# Allegro board RK3576_Template_LP5D315P132SD8_25x36_2400MHz_H1R0_V11_20240530YWQ.brd (continued)
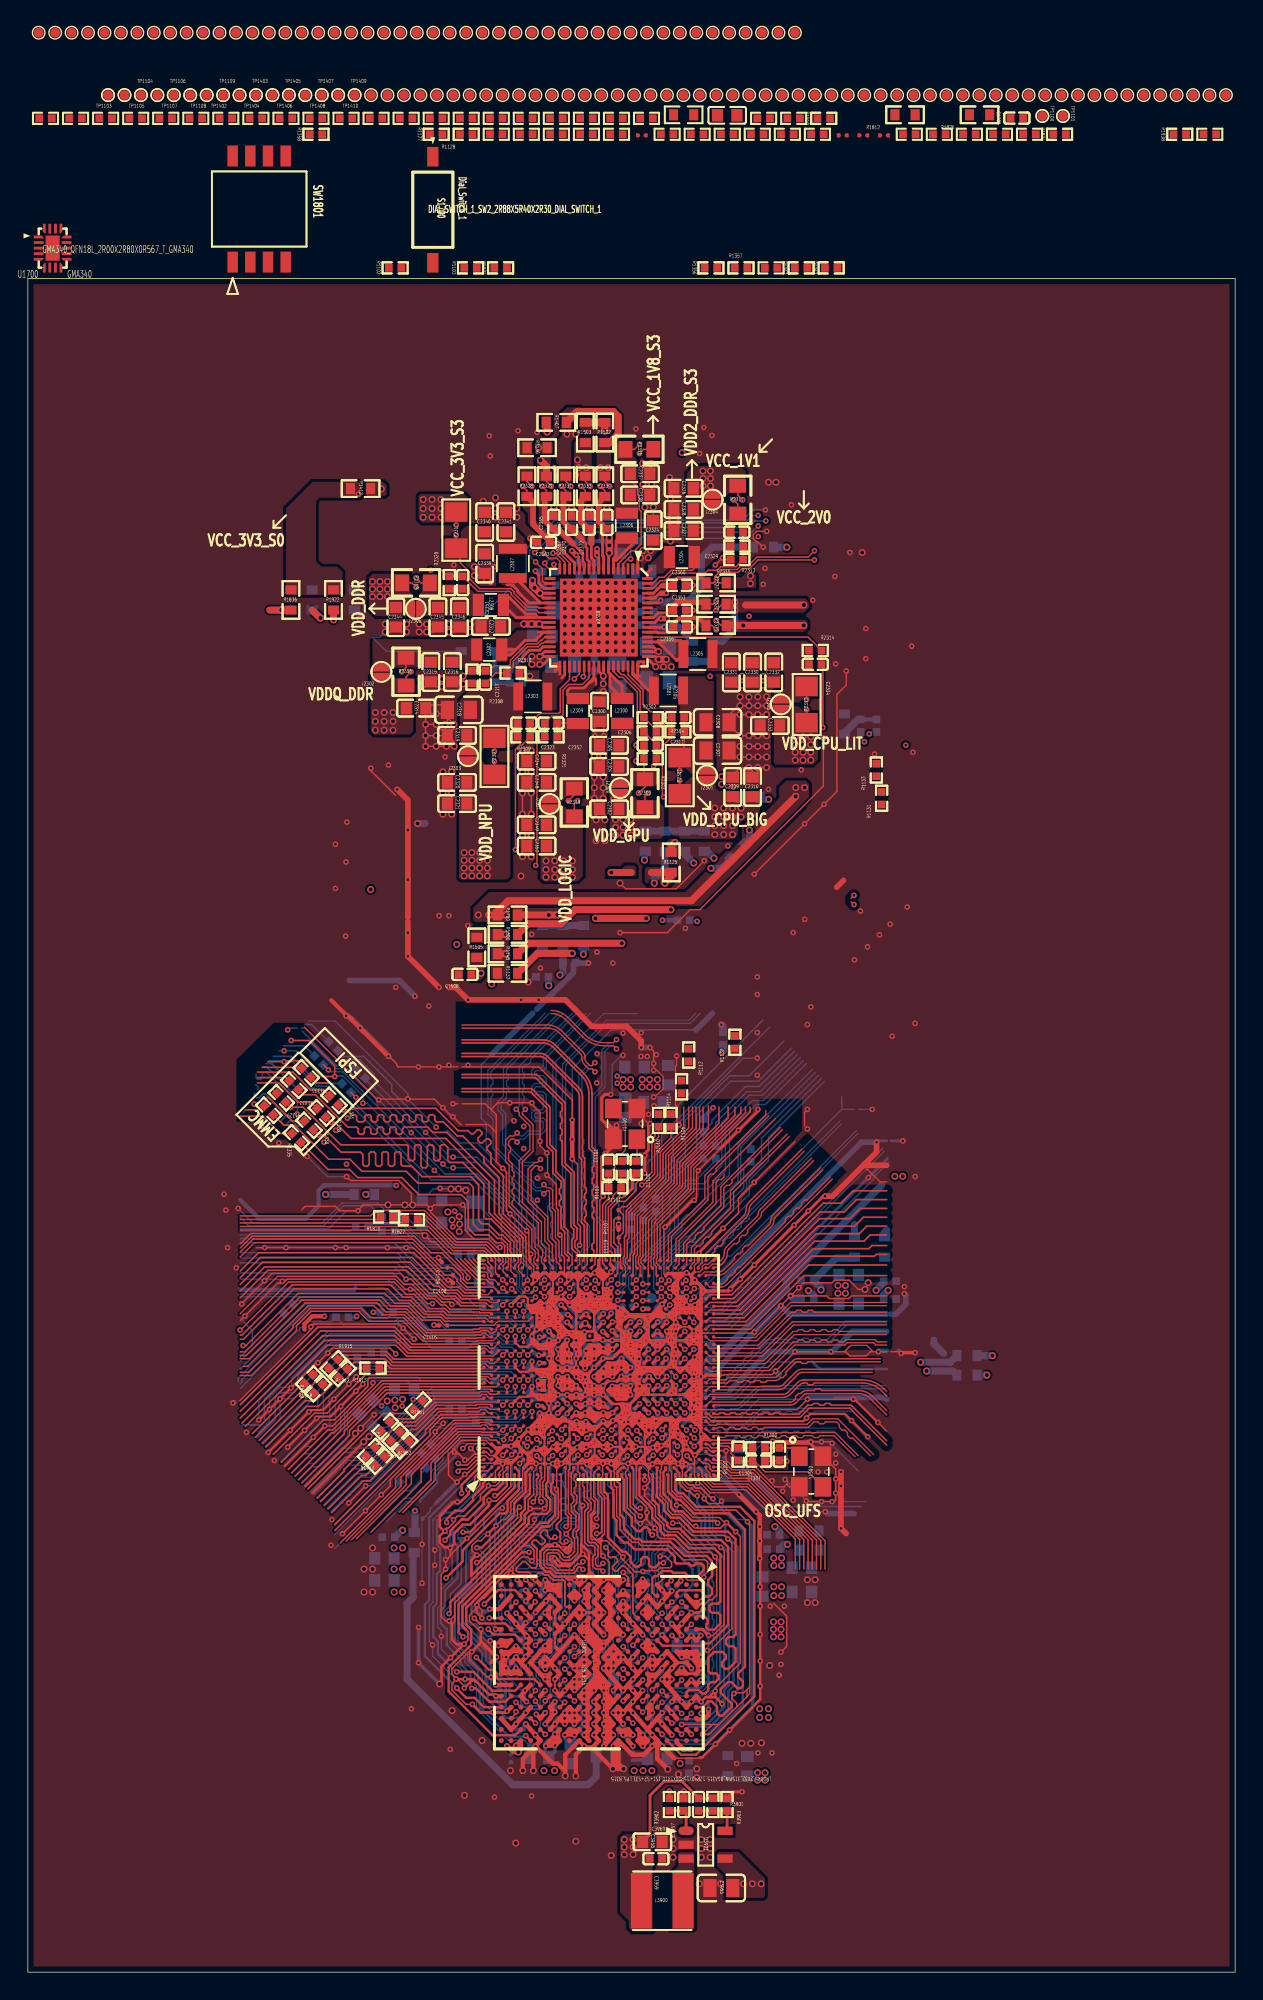
[diagram p0: board, top side]
## Routing (per net, layer and track width the routed paths; a pad name or vN(x,y) marks a point on that pad's centre or on a via; arc(x,y) is an arc through that point) (continued)
MIPI_DPHY_CSI4_RX_CLKP: length 28.8
  TOP w0.089: U1000.1K22 v1(38.92,48.53)
  BOTTOM w0.089: 48.3,68.88 47.59,68.17 41.67,68.17 38.64,65.14 38.64,53.44 39.12,52.96 39.12,50.35 39.4,50.07 39.4,49.29 39.26,49.16 39.26,48.87 v1(38.92,48.53)
MIPI_DPHY_DSI_TX_CLKN: length 14
  TOP w0.089: 61.7,46.49 55.01,46.49 52.78,44.26 49,44.26 U1000.AK17
MIPI_DPHY_DSI_TX_CLKP: length 13.4
  TOP w0.089: 61.7,46.72 54.92,46.72 52.69,44.48 49.32,44.48 U1000.AL17
MIPI_DPHY_DSI_TX_D0N: length 14
  TOP w0.089: 61.7,45.05 60.93,45.05 60.77,45.22 58.87,45.22 58.7,45.05 55.09,45.05 53.24,43.21 49.43,43.21 49.38,43.16 49,43.16 U1000.AK15
MIPI_DPHY_DSI_TX_D0P: length 13.8
  TOP w0.089: 61.7,45.28 61.02,45.28 60.86,45.44 58.78,45.44 58.61,45.28 58.31,45.28 58.17,45.41 57.89,45.41 57.76,45.28 57.48,45.28 57.34,45.41 57.06,45.41 56.93,45.28 56.65,45.28 56.52,45.41 56.24,45.41 56.1,45.28 55.82,45.28 55.69,45.41 55.41,45.41 55.27,45.28 54.99,45.28 53.15,43.43 U1000.AL15
MIPI_DPHY_DSI_TX_D1N: length 14
  TOP w0.089: U1000.AK16 49,43.71 52.98,43.71 55.07,45.8 61.7,45.8
MIPI_DPHY_DSI_TX_D1P: length 13.8
  TOP w0.089: 61.7,46.02 58.29,46.02 58.16,46.16 57.88,46.16 57.74,46.02 57.46,46.02 57.33,46.16 57.05,46.16 56.91,46.02 56.64,46.02 56.5,46.16 56.22,46.16 56.09,46.02 55.81,46.02 55.67,46.16 55.39,46.16 55.26,46.02 54.98,46.02 52.89,43.93 49.32,43.93 U1000.AL16
MIPI_DPHY_DSI_TX_D2N: length 14.1
  TOP w0.089: U1000.AK18 49,44.81 52.56,44.81 54.93,47.19 61.7,47.19
MIPI_DPHY_DSI_TX_D2P: length 13.7
  TOP w0.089: 61.7,47.41 56.5,47.41 56.36,47.55 56.08,47.55 55.95,47.41 55.67,47.41 55.54,47.55 55.26,47.55 55.12,47.41 54.84,47.41 52.46,45.03 49.32,45.03 U1000.AL18
MIPI_DPHY_DSI_TX_D3N: length 14.1
  TOP w0.089: U1000.AK19 49,45.36 52.36,45.36 54.88,47.88 61.7,47.88
MIPI_DPHY_DSI_TX_D3P: length 13.5
  TOP w0.089: U1000.AL19 49.32,45.58 52.26,45.58 54.79,48.1 61.7,48.1
NPOR: length 12.3
  TOP w0.089: 42.59,51.53 42.58,51.51 42.58,50.68 U1000.W28
  TOP w0.102: R1106.1 46.21,59.95 45.23,58.98 45.23,57.22 43.01,54.99 42.7,54.99 R1107.1 42.79,54.39 42.79,53.13 C1119.1 42.44,52.43 42.59,52.28 42.59,51.53
OSC_1V8: length 39.4
  TOP w0.229: U1000.2J10 42,46.03 42,46.08 v1(41.99,46.08)
  L4-SIG w0.178: 43.05,50.72 43.07,50.7 43.07,47.11 42.37,46.41 42.32,46.41 v1(41.99,46.08)
  L4-SIG w0.508: v2(44.31,79.88) 44.31,76.45 43.81,75.96 43.81,69.82 47.42,66.22 47.42,59.74 45.69,58.02 45.69,55.87 43.05,53.23 43.05,50.72
  BOTTOM w0.305: v1(41.99,46.08) 42,46.08 42.28,46.08 C1102.1
  BOTTOM w0.508: R1119.2 44.31,80.47 v2(44.31,79.88)
OSC_UFS_AVDD: length 25.1
  TOP w0.229: U1000.2M2 v1(44.6,40.18)
  L4-SIG w0.203: 48.97,39.58 44.8,39.58 44.6,39.78 v1(44.6,40.18)
  L4-SIG w0.508: 48.97,39.58 53.59,39.58 53.93,39.24 56.16,39.24 60.1,43.18 61.7,43.18 ; v2(64.57,43.18) 62.01,43.18
  BOTTOM w0.305: C1307.1 44.36,40.42 v1(44.6,40.18)
  BOTTOM w0.508: v2(64.57,43.18) 66.45,43.18 R1324.1
OSC_UFS_XIN: length 10
  TOP w0.102: U1000.AK5 48.84,37.93 49.12,37.66 49.47,37.66 49.6,37.79 50.3,37.79 50.52,37.56 50.52,37.28 R1302.2 51.08,36.72 C1304.1 52.2,36.72 52.97,35.94 56.05,35.94 Y1300.3
OSC_UFS_XOUT: length 3
  TOP w0.102: U1000.AL5 49.33,37.99 50.71,37.99 R1302.1 R1300.1
OTP_VDD0V75: length 40.7
  TOP w0.229: U1000.2H11 41.99,46.68 41.99,46.7 v1(42.01,46.72)
  TOP w0.508: R1148.1 35.95,73.91 v2(42.67,73.91)
  L4-SIG w0.102: 42.58,54.36 42.42,54.36 41.97,53.91 41.97,53.03 42.42,52.58 42.42,53.22 42.46,53.22 43.45,54.2 43.45,54.59 ; 42.77,47.46 42.77,49.94 42.42,50.29
  L4-SIG w0.178: 42.42,50.67 42.42,50.29 ; 42.77,47.46 42.03,46.72 42.01,46.72 v1(42.01,46.72) 42.01,46.72 41.98,46.72
  L4-SIG w0.508: 42.58,54.36 42.82,54.59 43.45,54.59 45.09,56.22 45.09,58.27 46.05,59.24 46.05,66.34 42.67,69.72 v2(42.67,73.91)
  BOTTOM w0.229: v1(42.01,46.72) 42.01,46.72 42.36,46.72 C1117.1
PCIE0_CLKREQN_M0: length 21.8
  TOP w0.089: U1000.1A17 33.82,45.75 33.43,45.37 32.65,45.37 32.65,45.37
  TOP w0.102: 15.26,42.86 16.06,42.86 19.3,46.1 19.3,46.41 20.36,47.47 23.77,47.47 24.48,46.76 26.96,46.76 28.4,45.32 32.29,45.32 32.34,45.37 32.65,45.37
PCIE0_PERSTN: length 20.4
  TOP w0.102: U1000.A19 32.71,45.57 32.26,45.57 32.21,45.52 31.67,45.52 31.67,45.53 28.48,45.53 26.99,47.02 24.6,47.02 23.95,47.68 20.28,47.68 19.05,46.45 19.05,46.29 15.85,43.1 15.26,43.1
PCIE0_WAKEN_M0: length 20.9
  TOP w0.102: U1000.1Y22 v1(45.52,49.13)
  BOTTOM w0.102: v1(45.52,49.13) 45.16,49.49 45.16,50.68 47.34,52.85 47.51,52.85 51.22,56.57 51.22,59.27 56.58,64.63
PCIE1_CLKREQN_M0: length 22.8
  TOP w0.102: U1000.1B16 v1(34.42,45.67)
  BOTTOM w0.102: 15.26,42.28 15.37,42.38 15.37,42.54 20.32,47.5 23.95,47.5 24.71,46.74 26.37,46.74 26.65,47.02 28.03,47.02 29.06,45.98 33.8,45.98 34.12,45.67 v1(34.42,45.67)
PCIE1_REFCLKN: length 28.8
  TOP w0.089: U1000.1M23 v1(40.12,49.13) ; v1(40.74,65.34) 40.53,65.12 40.39,65.12 40.14,65.37 arc(40.05,65.5) 40.02,65.66 40.02,65.79 arc(39.99,65.95) 39.89,66.09 39.78,66.2 38.39,67.6 arc(37.89,67.93) 37.31,68.04 31.19,68.04
  BOTTOM w0.089: v1(40.74,65.34) 40.53,65.12 40.23,65.12 39.59,64.48 39.59,54.05 40.13,53.51 40.13,52.26 39.8,51.92 39.8,49.46 v1(40.12,49.13)
PCIE1_REFCLKP: length 28.8
  TOP w0.089: v1(40.74,64.68) 40.53,64.9 40.29,64.9 40.09,65.11 39.98,65.21 arc(39.84,65.42) 39.8,65.66 39.8,65.79 arc(39.78,65.86) 39.74,65.93 39.62,66.04 38.23,67.44 arc(37.8,67.72) 37.31,67.82 31.19,67.82 ; U1000.1L23 v1(40.12,49.73)
  BOTTOM w0.089: v1(40.74,64.68) 40.53,64.9 40.32,64.9 39.81,64.39 39.81,59.94 39.95,59.8 39.95,59.52 39.81,59.39 39.81,59.11 39.95,58.98 39.95,58.7 39.81,58.56 39.81,58.28 39.95,58.15 39.95,57.87 39.81,57.73 39.81,57.45 39.95,57.32 39.95,57.04 39.81,56.91 39.81,56.63 39.95,56.49 39.95,56.21 39.81,56.08 39.81,55.8 39.95,55.66 39.95,55.38 39.81,55.25 39.81,54.97 39.95,54.84 39.95,54.56 39.81,54.42 39.81,54.14 40.36,53.6 40.36,52.17 40.02,51.83 40.02,51.52 40.15,51.39 40.15,51.11 40.02,50.97 40.02,50.69 40.15,50.56 40.15,50.28 40.02,50.14 40.02,49.83 v1(40.12,49.73)
PCIE1_RXN/USB3_HOST1_SSRXN: length 18.4
  TOP w0.117: U1000.M29 38.87,51.19 38.87,51.34 38.57,51.64 38.57,53.19 38.31,53.45 38.31,54.98 38.19,55.09 38.19,55.4 38.31,55.51 38.31,55.82 38.19,55.94 38.19,56.24 38.31,56.36 38.31,56.82 37.72,57.4 37.72,58.93 37.29,59.36 37.29,62.07 36.11,63.25 31.19,63.25
PCIE1_RXP/USB3_HOST1_SSRXP: length 19.2
  TOP w0.102: U1000.M28 39.1,50.86 39.1,51.43
  TOP w0.117: 31.19,63.47 36.2,63.47 37.51,62.16 37.51,59.45 37.94,59.02 37.94,57.5 38.53,56.91 38.53,53.55 38.79,53.29 38.79,51.74 39.1,51.43
PCIE1_TXN/USB3_HOST1_SSTXN: length 20.1
  TOP w0.117: 31.19,64.26 36.47,64.26 38.38,62.35 38.38,61.9 38.27,61.78 38.27,61.48 38.38,61.36 38.38,61.06 38.27,60.94 38.27,60.63 38.38,60.52 38.38,60.21 38.27,60.1 38.27,59.79 38.38,59.67 38.38,58.01 39.02,57.37 39.02,53.56 39.23,53.36 39.23,52.75 39.07,52.6 39.07,51.99 39.42,51.64 39.42,51.19 U1000.N29
PCIE1_TXP/USB3_HOST1_SSTXP: length 20.8
  TOP w0.102: 39.65,51.73 39.65,50.86 U1000.N28
  TOP w0.117: 31.19,64.49 36.56,64.49 38.61,62.44 38.61,58.1 39.24,57.47 39.24,53.66 39.45,53.45 39.45,52.66 39.3,52.5 39.3,52.08 39.65,51.73
PCIE_COMBOPHY_AVDD0V85: length 35.6
  TOP w0.229: U1000.2E11 39.97,46.61 v2(40.05,46.61) 40.12,46.61 U1000.2F11
  TOP w0.508: v2(38.06,75.95) v2(37.43,75.95) R1700.1
  L4-SIG w0.229: 39.32,50.39 39.32,47.3 40.01,46.61 v2(40.05,46.61)
  L4-SIG w0.508: v2(37.43,75.95) v2(37.43,70.87) 37.43,62.27 37.72,61.98 37.72,60.71 37.97,60.45 37.97,54.86 37.72,54.61 37.72,53.39 37.67,53.34 37.67,52.62 38.78,51.51 38.78,50.92 39.32,50.39
  BOTTOM w0.305: C1700.1 39.6,46.61 v2(40.05,46.61)
  BOTTOM w0.508: C1702.1 37.41,70.88 v2(37.43,70.87)
PCIE_COMBOPHY_AVDD1V8: length 30.4
  TOP w0.229: U1000.2E12 39.96,47.25 v1(40.1,47.25) 40.13,47.25 U1000.2F12
  L4-SIG w0.203: v2(38.23,71.63) 38.23,62.95 39.57,61.61 39.57,53.07 40.19,52.45 40.19,50.63 39.73,50.16 39.73,47.55 40.02,47.26 40.08,47.26 v1(40.1,47.25)
  BOTTOM w0.305: 39.73,47.62 v1(40.1,47.25) 40.36,47.51 C1701.1 40.3,47.69 C1703.1 39.73,47.62
  BOTTOM w0.508: v2(38.23,71.63) 38.44,71.84 C1704.1 R1701.1
PDM1_CLK1_M1: length 12.8
  TOP w0.089: 32.59,38.83 32.65,38.77 33.69,38.77 U1000.1A5
  TOP w0.102: 32.59,38.83 30.93,38.83 28.26,36.16 28.26,35.22 24.64,31.59
PDM1_SDI1_M1: length 9.7
  TOP w0.089: 32.33,38.62 32.53,38.62 32.58,38.58 33.23,38.58 U1000.B6
  TOP w0.102: 26.67,33.05 28.97,35.35 28.97,36.58 31.01,38.62 32.33,38.62
PDM1_SDI2_M1: length 14
  TOP w0.089: U1000.B7 33.15,39.03 32.88,39.3 32.61,39.3 32.54,39.23
  TOP w0.102: 32.54,39.23 30.76,39.23 27.18,35.65 27.18,34.99 23.24,31.06
PLL_AVDD1V8: length 28.4
  TOP w0.229: v1(41.91,47.33) 41.91,47.25 U1000.2H12
  L4-SIG w0.102: 41.51,51.15 41.51,50.77
  L4-SIG w0.203: 41.51,50.77 41.51,47.77 41.91,47.37 v1(41.91,47.33) ; 41.51,51.15 41.4,51.26 41.4,52.91 41.43,52.93
  L4-SIG w0.508: v2(39.91,73.12) 39.73,72.93 39.73,64.03 40.76,63 40.76,53.6 41.43,52.93
  BOTTOM w0.305: v1(41.91,47.33) 41.93,47.34 41.93,47.89 C1105.1
  BOTTOM w0.508: v2(39.91,73.12) R1136.2
PLL_DVDD0V75: length 33.1
  TOP w0.229: U1000.2G11 v1(41.35,46.68)
  TOP w0.508: v2(39.12,73.19) 36.62,73.19 R1132.2
  L4-SIG w0.203: 40.8,50.84 41.21,50.43 41.21,47.81 40.89,47.5 40.89,47.14 v1(41.35,46.68)
  L4-SIG w0.508: v2(39.12,73.19) 39.12,63.63 40.15,62.59 40.15,53.35 40.8,52.7 40.8,50.84
  BOTTOM w0.305: v1(41.35,46.68) 41.08,46.68 C1104.1
PMIC_EXT_EN_OUT: length 1.1
  TOP w0.102: U2300.39 39.62,93.27 39.27,92.92 v1(39.27,92.9)
PMIC_FB5: length 5.9
  TOP w0.102: U2300.47 42.42,93.44 42.65,93.22 42.81,93.22 43.99,92.04 43.99,90.39 R2305.1 45.16,89.22 R2302.2
PMIC_FB6: length 7.1
  TOP w0.102: R2308.2 C2317.2 33.62,93.33 R2310.1 34.87,93.79 34.87,94.17 35.92,95.22 36.67,95.22 36.91,95.46 37.02,95.46 37.11,95.56 U2300.31
PMIC_FB9: length 9.7
  TOP w0.102: U2300.66 44.91,99.41 45.46,99.96 45.76,99.96 46.3,100.5 48.67,100.5 48.88,100.71 49.53,100.71 49.78,100.97 50.88,100.97 R2315.1 R2313.2 C2329.2
PMIC_INT_L: length 36.7
  TOP w0.102: U2300.19 37.16,99.76 36.97,99.95 36.97,100.82 v1(36.48,101.31)
  BOTTOM w0.102: v1(52.47,104.65) 52.07,104.65 51.53,104.11 38.05,104.11 36.06,102.12 36.06,101.73 v1(36.48,101.31) ; 54.85,66.36 52.49,64.01 50.49,64.01 48.05,61.57 48.05,58.99 45.11,56.05 R1116.2
PMIC_SW1: length 5.3
  TOP w0.203: 43.94,93.09 43.82,93.21 U2300.51 ; U2300.51 44.25,93.81 44.25,94.13 44.25,94.13 43.96,94.13 43.82,93.99 U2300.51 ; 43.47,93.31 43.47,93.21 44.61,92.07 L2301.1 ; 43.47,93.31 U2300.50 ; 43.47,93.31 43.82,92.96
PMIC_SW2: length 2.5
  TOP w0.203: 37.82,93.98 38.05,93.98 U2300.35 ; U2300.35 38.22,93.24 ; U2300.35 37.88,93.47 ; 38.35,92.96 38.57,93.18 U2300.36
PMIC_SW3: length 6.6
  TOP w0.203: 46.5,95.65 45.28,95.65 45.28,95.56 ; 46.5,95.65 46.48,95.63 ; 46.5,95.65 46.89,95.65 47.1,95.45 L2305.1 46.64,94.24 46.61,94.24 45.28,95.56 ; 45.28,95.56 45.76,95.56 ; 45.28,95.56 U2300.55
PMIC_SW4: length 6.4
  TOP w0.203: 34.42,99.66 34.79,99.66 35.19,99.26 35.19,99.18 36.01,98.36 36.74,98.36 ; L2307.1 35.05,100.15 36.74,98.46 36.74,98.36 ; U2300.23 36.74,98.36
PMIC_SW5: length 4.9
  TOP w0.203: L2300.2 41.83,92.37 41.83,93.26 ; L2300.2 42.7,92.39 41.83,93.26 ; L2300.2 42.81,91.5 ; 41.83,93.26 41.72,93.37 U2300.45
PMIC_SW6: length 5.7
  TOP w0.203: 35.06,95.01 L2302.2 34.45,94.61 34.67,94.61 35.06,95.01 ; 35.06,95.01 35.07,95.01 35.73,95.67 36.47,95.67 37.05,96.26 ; 37.05,96.26 U2300.29 ; 37.05,96.26 36.68,96.26
PMIC_SW7: length 5.5
  TOP w0.152: 40.67,93.03 40.81,92.89 40.81,92.48 ; 40.67,92.84 40.51,92.68
  TOP w0.203: U2300.42 40.67,92.97 ; 40.38,92.68 39.95,92.25 38.96,92.25 38.76,92.05 38.76,91.76 39.13,91.4 39.41,91.4 L2309.1 ; 40.38,92.68 40.51,92.68 ; 40.38,92.68 40.67,92.97 ; 40.67,92.97 40.67,92.84
PMIC_SW8: length 5.5
  TOP w0.203: 42.07,101.41 U2300.6 ; 42.07,101.41 42.27,101.41 43.4,102.54 43.4,102.81 43.2,103.01 42.47,103.01 42.26,102.81 42.26,101.75 42.07,101.55 42.07,101.41
PMIC_SW9: length 0.8
  TOP w0.203: U2300.68 44.52,100.55 44.81,100.84
PMIC_SW10: length 7.5
  TOP w0.152: 36.45,97.56 36.7,97.31 36.39,97.31 36.34,97.36
  TOP w0.203: 36.39,97.31 35.08,97.31 L2308.2 34.29,98.22 34.29,98.65 34.5,98.85 35.79,97.56 36.45,97.56 ; 36.7,97.31 U2300.26
PMIC_VDC: length 5.8
  TOP w0.203: U2300.32 37.02,95.21 36.77,94.96 36.03,94.96 35.56,94.49 v1(35.56,94.24)
  BOTTOM w0.305: v1(35.56,94.24) 35.28,94.24 34.63,93.6 C2368.1 R2332.1 33.61,92.62 R2330.2
PMU_DVDD0V75: length 91.2
  TOP w0.102: R1146.1 v2(36.7,109.51)
  TOP w0.203: U1000.2L2 v1(43.95,40.83)
  TOP w0.229: v1(43.97,46.03) 43.95,46.03 U1000.2L10
  L4-SIG w0.089: 43.62,42.92 43.62,42.92 43.62,43.9 43.6,43.92 43.6,45.66 v1(43.97,46.03) 44.27,45.73 44.27,44.87 44.27,44.87 44.27,43.95 44.27,43.95 44.27,41.16 v1(43.95,40.83) 43.62,41.16 43.62,42.64 43.62,42.65 43.62,42.92
  L4-SIG w0.178: v1(43.97,46.03) 45.44,47.5 46.61,47.5 46.61,50.05 47.81,51.24 48.83,51.24 49.39,51.8 49.39,53.96 49.66,54.23
  L4-SIG w0.508: v2(36.7,109.51) 37.43,109.51 37.59,109.35 39.77,109.35 40.15,108.97 41.87,108.97 43.21,107.63 43.21,102.82 42.75,102.36 42.75,101.14 43.31,100.58 43.68,100.58 44.06,100.2 44.06,94.67 42.55,93.15 42.55,84.84 44.7,82.68 44.7,80.64 46.63,78.71 46.63,77.72 47.26,77.1 49.57,74.79 49.57,69.11 50.45,68.23 50.45,57.15 49.66,56.36 49.66,54.23
  BOTTOM w0.305: v1(43.95,40.83) 43.58,40.46 C1107.1 ; v1(43.97,46.03) 43.73,45.79 C1118.1
PMUIO0_VCC1V8: length 41.4
  TOP w0.229: U1000.2K11 v1(43.3,46.68)
  TOP w0.508: 44.79,78.99 R1125.1 46.23,78.76 45.77,78.3 v2(45.77,78.23)
  L4-SIG w0.178: 45.05,50.93 45.05,50.18 44.86,49.99 44.86,47.78 44.32,47.24 43.86,47.24 v1(43.3,46.68)
  L4-SIG w0.508: 45.05,50.93 45.05,51.84 48.43,55.22 48.43,56.86 49.24,57.66 v1(49.24,62.1) 49.24,66.99 45.59,70.63 v1(45.59,75.56) 45.59,77.6 45.77,77.78 v2(45.77,78.23)
  BOTTOM w0.305: v1(49.24,62.1) 48.53,61.4 R1121.1 ; v1(43.3,46.68) 43.59,46.97 C1103.1 ; R1105.1 v1(45.59,75.56)
PMUIO1_VCC: length 38.6
  TOP w0.229: U1000.1U20 v1(43.7,47.92)
  TOP w0.508: v2(44.42,75.7) v2(40.78,75.7)
  L4-SIG w0.178: 43.69,50.29 43.35,49.96 43.35,48.27 v1(43.7,47.92)
  L4-SIG w0.508: v2(44.42,75.7) 44.42,70.07 48.03,66.47 48.03,59.49 46.3,57.77 46.3,55.62 43.69,53 43.69,50.29
  BOTTOM w0.305: v1(43.7,47.92) 43.67,47.89 C1106.1 ; R1138.1 R1139.1
  BOTTOM w0.508: R1139.1 59.64,89.99 58.67,89.03 R1141.1
PWM0_CH0_M0_IR: length 22.3
  TOP w0.102: v1(44.18,48.83) U1000.1W22
  BOTTOM w0.102: 55.93,65.28 52.98,62.33 52.31,62.33 50.41,60.43 50.41,57.27 47.56,54.41 47.35,54.41 46.99,54.06 46.99,53.37 46.83,53.2 44.56,50.93 44.56,49.2 v1(44.18,48.83)
PWRON_L: length 11.5
  TOP w0.102: U2300.4 42.77,101.17 43.12,101.52 v1(43.31,101.52)
  BOTTOM w0.102: v1(43.31,101.52) 43.31,102.24 C2369.1 43.89,102.82 44.31,103.24 46.3,103.24 46.54,103 52.35,103 v1(52.47,103.12)
RESET_L: length 23.3
  TOP w0.102: v1(39.91,93.06) 39.97,93.13 U2300.40
  L4-SIG w0.102: v1(48.08,75.49) 46.23,77.34 46.23,78.55 44.3,80.48 44.3,82.51 42.04,84.77 42.04,90.17 39.91,92.3 v1(39.91,93.06)
  BOTTOM w0.102: v1(48.08,75.49) 48.01,75.56 R1105.2 ; C2366.1 40.32,93.06 v1(39.91,93.06)
SAI1_LRCK_M0: length 6.7
  BOTTOM w0.102: R1806.2 26.72,35.12 22.05,30.44
SAI1_MCLK_M0: length 8.7
  BOTTOM w0.102: R1802.2 27.9,37.29 22.05,31.45
SAI1_SCLK_M0: length 5
  BOTTOM w0.102: 25.3,32.87 27.01,34.58 27.47,34.58 28.26,35.38 28.26,35.83 R1803.2
SAI2_LRCK_M0: length 11.9
  TOP w0.102: R1822.2 26.88,53.82 15.26,53.82
SAI2_SCLK_M0: length 11.4
  BOTTOM w0.102: 15.26,54.22 15.86,53.62 21.23,53.62 22.67,55.05 24.63,55.05 R1821.2
SAI2_SDI_M0: length 21.3
  TOP w0.089: 34.04,51.44 34.04,51.35 34.14,51.25 34.14,51.02 33.87,50.75 U1000.C28
  TOP w0.102: 34.04,51.44 33.42,52.05 33.04,52.44 30.78,52.44 28.51,54.71 25,54.71 24.61,54.33 15.26,54.33
SAI2_SDO_M0: length 10.1
  TOP w0.102: 15.26,54.07 25.15,54.07 R1820.2
SARADC_AVDD1V8: length 53.6
  TOP w0.203: v1(36.77,45.63) 37.04,45.63 U1000.2A10
  L4-SIG w0.178: v1(36.77,45.63) 36.45,45.3 34.27,45.3 33.65,45.92 33.32,45.92
  L4-SIG w0.508: 33.32,45.92 30.7,48.53 29.83,48.53 26.48,51.87 v1(26.48,56.52) 26.48,69.92 28,71.43 28,76.16
  BOTTOM w0.305: v1(26.48,56.52) 26.48,56.52 21.27,56.52 20.88,56.14 20.88,55.05 19.96,54.13 16.61,54.13 15.26,55.48 ; v1(36.77,45.63) 36.77,45.55 36.51,45.29 C1116.1
  BOTTOM w0.508: 49.08,94.16 R1147.1
SARADC_VIN0_BOOT: length 19.5
  TOP w0.102: 15.26,51.38 16.29,52.41 27.63,52.41 28.45,51.59 29.98,50.06 30.53,50.06 C1108.1 30.84,49.76 30.84,49.63 31.46,49.01 32.7,49.01 U1000.A25
SARADC_VIN1_KEY/RECOVERY: length 20.7
  TOP w0.102: U1000.1A22 33.45,49.21 31.55,49.21 31.09,49.67 31.09,50.03 30.51,50.61 C1109.1 29.71,50.61 27.67,52.66 16.18,52.66 15.26,51.74
SARADC_VIN2_HW_ID: length 11.2
  TOP w0.102: U1000.1B19 v1(34.42,47.47)
  BOTTOM w0.102: v1(34.42,47.47) 34.3,47.35 32.01,47.35 31.81,47.55 C1110.1 30.38,47.55 29.24,48.7 26.02,48.7 25.57,49.15 24.45,49.15
SARADC_VIN3_HP_HOOK: length 21.8
  TOP w0.102: v1(35.02,47.47) U1000.1C19
  BOTTOM w0.102: v1(35.02,47.47) 35.35,47.15 C1111.1 35.23,46.99 35.05,46.99 34.9,47.14 30.46,47.14 29.11,48.49 25.8,48.49 25.58,48.72 15.26,48.72
SARADC_VIN4: length 22.1
  TOP w0.102: U1000.1E18 v1(35.92,46.13)
  BOTTOM w0.102: v1(35.92,46.13) 35.92,46.23 C1112.1 35.15,46.51 34.73,46.94 30.37,46.94 29.64,47.67 28.93,47.67 28.3,48.29 25.72,48.29 25.49,48.51 15.26,48.51
SARADC_VIN5: length 22.9
  TOP w0.102: U1000.1D19 v1(35.62,47.47)
  BOTTOM w0.102: 15.26,51.3 26.64,51.3 27.59,50.35 30.38,50.35 31.71,49.02 32.13,49.02 32.64,48.51 35.21,48.51 35.8,47.92 C1113.1 35.8,47.65 v1(35.62,47.47)
SARADC_VIN6: length 21.9
  TOP w0.102: U1000.1D21 v1(35.32,47.93)
  BOTTOM w0.102: 15.26,50.95 26.52,50.95 27.41,50.06 30.38,50.06 30.55,49.89 30.55,49.67 C1114.1 31.46,48.77 31.88,48.77 32.36,48.28 34.97,48.28 v1(35.32,47.93)
SARADC_VIN7_LCD_ID: length 23.7
  TOP w0.089: 32.26,46.47 32.51,46.47 33.47,46.47 33.77,46.77 35.95,46.77 U1000.1E19
  TOP w0.102: 15.26,44.56 15.6,44.56 19.53,48.49 25.43,48.49 26.08,47.84 27.32,47.84 28.32,46.84 29.6,46.84 29.99,46.46 C1115.1 32.25,46.46 32.26,46.47
SDMMC0_CLK/UART5_TX_M2/I2C5_SCL_M0: length 18.4
  BOTTOM w0.114: R1353.2 32.16,47.85 31.6,48.41 30.46,48.41 29.44,49.43 27.03,49.43 26.22,50.23 15.26,50.23
SDMMC0_CMD/UART5_RX_M2/I2C5_SDA_M0: length 20.5
  TOP w0.089: U1000.1A21 33.7,48.12 33.21,48.12 33.04,48.29 32.47,48.29 32.39,48.37
  TOP w0.114: 15.26,49.4 16.86,51 27.46,51 29.19,49.28 29.52,49.28 30.01,48.78 30.79,48.78 31.2,48.37 32.39,48.37
SDMMC0_D0/CAN0_RX_M0: length 19.9
  TOP w0.089: 32.46,48.58 32.56,48.48 33.23,48.48 U1000.B24
  TOP w0.114: 32.46,48.58 31.29,48.58 30.88,48.99 30.1,48.99 29.57,49.53 29.42,49.53 27.61,51.34 16.72,51.34 15.26,49.89
SDMMC0_D1/CAN0_TX_M0: length 20
  TOP w0.089: U1000.B25 33.05,48.67 32.66,48.67 32.53,48.8 32.51,48.8
  TOP w0.114: 15.26,50.37 16.57,51.69 27.72,51.69 30.19,49.21 30.97,49.21 31.38,48.8 32.51,48.8
SDMMC0_D2/JTAG_TCK_M0: length 19.4
  TOP w0.114: 15.26,48.43 17.25,50.42 27.19,50.42 28.83,48.79 29.4,48.79 29.84,48.35 30.61,48.35 31.08,47.87 32.73,47.87 U1000.A23
SDMMC0_D3/JTAG_TMS_M0: length 20
  TOP w0.089: 32.51,48.09 32.52,48.1 32.89,48.1 33.16,47.83 U1000.B23
  TOP w0.114: 32.51,48.09 31.17,48.09 30.7,48.56 29.92,48.56 29.46,49.02 28.98,49.02 27.35,50.66 17,50.66 15.26,48.92
SDMMC0_DET_L: length 10.1
  BOTTOM w0.114: R1117.2 R1121.2 49.15,61 49.15,61.2 51.57,63.63 52.55,63.63 55.07,66.14
SDMMC0_PWREN_H: length 14.8
  TOP w0.089: U1000.1Y24 45.14,50.12 45.14,50.7 44.96,50.87 44.96,51.32 45.02,51.38 45.02,51.56
  TOP w0.102: 45.02,51.56 45.02,53.86 47.44,56.28 47.44,57.91 51.23,61.7 51.23,62.15
TP_INT_L: length 21.2
  TOP w0.102: U1000.1AA22 v1(46.12,48.53)
  BOTTOM w0.102: 57.23,63.98 53.21,59.97 53.21,58.27 51.83,56.89 51.83,55.88 48.15,52.2 47.55,52.2 46.06,50.71 46.06,50.18 46.45,49.78 46.45,48.86 v1(46.12,48.53)
TP_RST_L: length 22.5
  TOP w0.102: v1(44.18,49.43) U1000.1W23
  BOTTOM w0.102: 55.72,65.49 52.87,62.65 arc(52.83,62.62) 52.78,62.61 52.1,62.61 arc(52.05,62.6) 52.01,62.57 50.14,60.71 arc(50.12,60.66) 50.11,60.61 50.11,57.53 48.84,56.26 47.5,56.26 46.74,55.5 46.74,53.45 arc(46.73,53.4) 46.7,53.36 44.22,50.89 arc(44.19,50.85) 44.18,50.8 v1(44.18,49.43)
TSADC_CTRL_M0: length 4.6
  TOP w0.089: 42.39,51.56 42.39,50.2 U1000.1R24
  TOP w0.102: R1107.2 42.24,54.18 42.1,54.04 42.1,52.38 42.39,52.1 42.39,51.56
TYPEC_DPTX_AUX_PUPDCTL1: length 20.5
  TOP w0.089: U1000.B22 33.23,47.38 32.48,47.38 32.44,47.42
  TOP w0.102: v1(15.24,46.13) 15.28,46.13 18.74,49.58 26.31,49.58 27.19,48.7 27.76,48.7 28.79,47.67 29.99,47.67 30.24,47.42 32.44,47.42
TYPEC_DPTX_AUX_PUPDCTL2: length 20.7
  TOP w0.089: U1000.B20 33.23,46.28 32.49,46.28 32.39,46.19
  TOP w0.102: 15.26,44.3 15.71,44.3 19.69,48.29 25.25,48.29 25.9,47.63 27.24,47.63 28.74,46.14 31.98,46.14 32.03,46.19 32.39,46.19
UART0_RX_M0_DEBUG: length 13.5
  TOP w0.089: U1000.AA28 43.68,50.68 43.68,51.42 43.79,51.53
  TOP w0.102: 43.79,51.53 43.79,54.35 46.24,56.8 46.24,58.56 48.26,60.58 48.26,62.15
UART0_TX_M0_DEBUG: length 14
  TOP w0.089: U1000.1U24 43.49,50.1 43.49,51.51
  TOP w0.102: 48.01,62.15 48.01,60.61 46.04,58.64 46.04,56.88 43.59,54.44 43.59,51.61 43.49,51.51
UART4_CTSN_M1: length 16.1
  BOTTOM w0.102: R1815.2 30.8,51.68 28.04,51.68 27.02,52.7 15.26,52.7
UART4_TX_M1: length 17.9
  BOTTOM w0.102: 15.26,52.41 26.32,52.41 27.92,50.8 30.73,50.8 31.12,50.42 R1816.2
UFS_AVDD0V85: length 15.2
  TOP w0.229: U1000.2N2 v1(45.25,40.18)
  L6-SIG w0.254: v1(45.25,40.18) 46.09,39.34 48.29,39.34 48.42,39.21
  L6-SIG w0.406: 48.42,39.21 48.63,39.21 48.91,38.94 48.91,36.73 49.31,36.32
  L6-SIG w0.508: v2(53.68,32) 53.68,32.81 50.16,36.32 49.31,36.32
  BOTTOM w0.305: C1302.1 45.26,39.84 45.25,39.84 v1(45.25,40.18)
  BOTTOM w0.508: C1303.1 54.01,31.68 v2(53.68,32)
UFS_AVDD1V8: length 18.5
  TOP w0.229: U1000.2P2 v1(45.9,40.18)
  L6-SIG w0.254: v1(45.9,40.18) 46.3,39.78 48.16,39.78 48.2,39.82 48.34,39.82
  L6-SIG w0.508: 48.34,39.82 48.65,40.13 51.7,40.13 52.58,39.25 52.58,34.77 54.29,33.06 54.29,31.06 54.57,30.77 v2(54.57,30.73)
  BOTTOM w0.305: C1305.1 45.9,39.9 v1(45.9,40.18)
  BOTTOM w0.508: C1306.1 54.37,30.73 v2(54.57,30.73)
UFS_REFCLK: length 10.7
  BOTTOM w0.114: 59.86,33.45 54.44,33.45 51.33,36.55 51,36.55 R1306.2
UFS_RSTN: length 6.1
  BOTTOM w0.114: R1304.2 49.19,36.02 50.09,36.02 53.15,32.96
UFS_RX0N: length 13.3
  TOP w0.089: U1000.AL7 49.32,39.08 49.55,39.08 49.62,39.14 49.9,39.14 50.03,39.01 50.31,39.01 50.44,39.14 50.72,39.14 50.86,39.01 51.14,39.01 51.27,39.14 51.55,39.14 51.69,39.01 51.97,39.01 52.1,39.14 52.38,39.14 52.52,39.01 52.79,39.01 52.93,39.14 56.09,39.14 56.48,39.53 56.76,39.53 56.89,39.39 57.17,39.39 57.31,39.53 58.11,39.53 58.3,39.33 58.3,39.14 58.5,38.94 58.69,38.94 58.89,38.74 58.89,38.55 59.09,38.36 59.28,38.36 60.54,37.09
UFS_RX0P: length 13.4
  TOP w0.089: U1000.AK8 49,39.3 49.46,39.3 49.52,39.36 56,39.36 56.39,39.75 58.2,39.75 60.76,37.18
UFS_RX1N: length 11.7
  TOP w0.089: U1000.AL6 49.32,38.54 49.64,38.54 49.76,38.42 50.06,38.42 50.18,38.54 51.12,38.54 51.26,38.4 51.54,38.4 51.67,38.54 51.95,38.54 52.08,38.4 52.36,38.4 52.5,38.54 52.78,38.54 52.91,38.4 53.19,38.4 53.33,38.54 53.61,38.54 53.75,38.39 54.02,38.39 54.17,38.54 54.44,38.54 54.56,38.41 54.83,38.41 54.95,38.54 55.23,38.54 55.36,38.4 55.64,38.4 55.78,38.54 56.37,38.54 56.5,38.4 56.78,38.4 56.92,38.54 57.92,38.54 59.44,37.02
UFS_RX1P: length 11.7
  TOP w0.089: 59.66,37.11 58.01,38.76 49,38.76 U1000.AK7
UFS_SOC_REFCLK: length 1.5
  TOP w0.102: v1(49.61,37.1) 49.6,37.11 49,37.11 U1000.AK4
  BOTTOM w0.114: v1(49.61,37.1) 49.75,36.96 R1306.1
UFS_SOC_RSTN: length 1.2
  TOP w0.114: v1(47.37,37.09) 47.37,37.09 U1000.1AD2
  BOTTOM w0.114: R1304.1 47.85,36.62 47.38,37.09 47.37,37.09 v1(47.37,37.09)
UFS_TX0N: length 3
  TOP w0.089: v1(47.32,38.93) U1000.1AC6
  BOTTOM w0.089: R1305.1 49.42,39.26 47.65,39.26 47.32,38.94 v1(47.32,38.93)
UFS_TX0P: length 2.4
  TOP w0.089: v1(47.92,38.93) U1000.1AD6
  BOTTOM w0.089: R1303.1 49.42,39.04 49.14,39.04 49.01,38.91 48.73,38.91 48.59,39.04 48.03,39.04 v1(47.92,38.93)
UFS_TX1N: length 3.5
  TOP w0.089: U1000.1AD5 v1(47.88,38.38)
  BOTTOM w0.089: R1309.1 50.69,38.23 48.03,38.23 47.88,38.38 v1(47.88,38.38)
UFS_TX1P: length 3.8
  TOP w0.089: U1000.1AD4 v1(47.88,37.78)
  BOTTOM w0.089: R1307.1 50.69,38 49.96,38 49.83,37.87 49.55,37.87 49.41,38 49.13,38 49,37.87 48.72,37.87 48.58,38 48.1,38 v1(47.88,37.78)
UFS_TX_D0N: length 9.8
  BOTTOM w0.089: 59.39,40.51 52.71,40.51 51.46,39.26 50.38,39.26 R1305.2
UFS_TX_D0P: length 10.3
  BOTTOM w0.089: R1303.2 50.38,39.04 51.55,39.04 51.75,39.24 51.94,39.24 52.14,39.44 52.14,39.63 52.8,40.29 53.2,40.29 53.34,40.15 53.62,40.15 53.75,40.29 54.03,40.29 54.17,40.15 54.45,40.15 54.58,40.29 54.86,40.29 54.99,40.15 55.27,40.15 55.41,40.29 55.99,40.29 56.12,40.15 56.4,40.15 56.54,40.29 59.3,40.29
UFS_TX_D1N: length 7.1
  BOTTOM w0.089: R1309.2 51.65,38.23 51.82,38.23 52.67,39.09 58.1,39.09
UFS_TX_D1P: length 7.4
  BOTTOM w0.089: 58,38.86 56.73,38.86 56.6,38.73 56.32,38.73 56.18,38.86 55.91,38.86 55.77,38.73 55.49,38.73 55.36,38.86 55.08,38.86 54.94,38.73 54.66,38.73 54.53,38.86 54.25,38.86 54.11,38.73 53.84,38.73 53.7,38.86 52.77,38.86 51.91,38 51.65,38 R1307.2
